# Altium PCB TempdevAmmy1009.PcbDoc (part 2 of 4)
Units mm, origin at the board's own origin, x right, y up, seen from the top; angles counter-clockwise.
Board outline 80.31 x 100.3 mm, 2 copper layers (Top Layer, Bottom Layer); 948 components, 586 nets, 3088 pads, 189 vias.
Unrouted connection lines stored in the file: 1751.
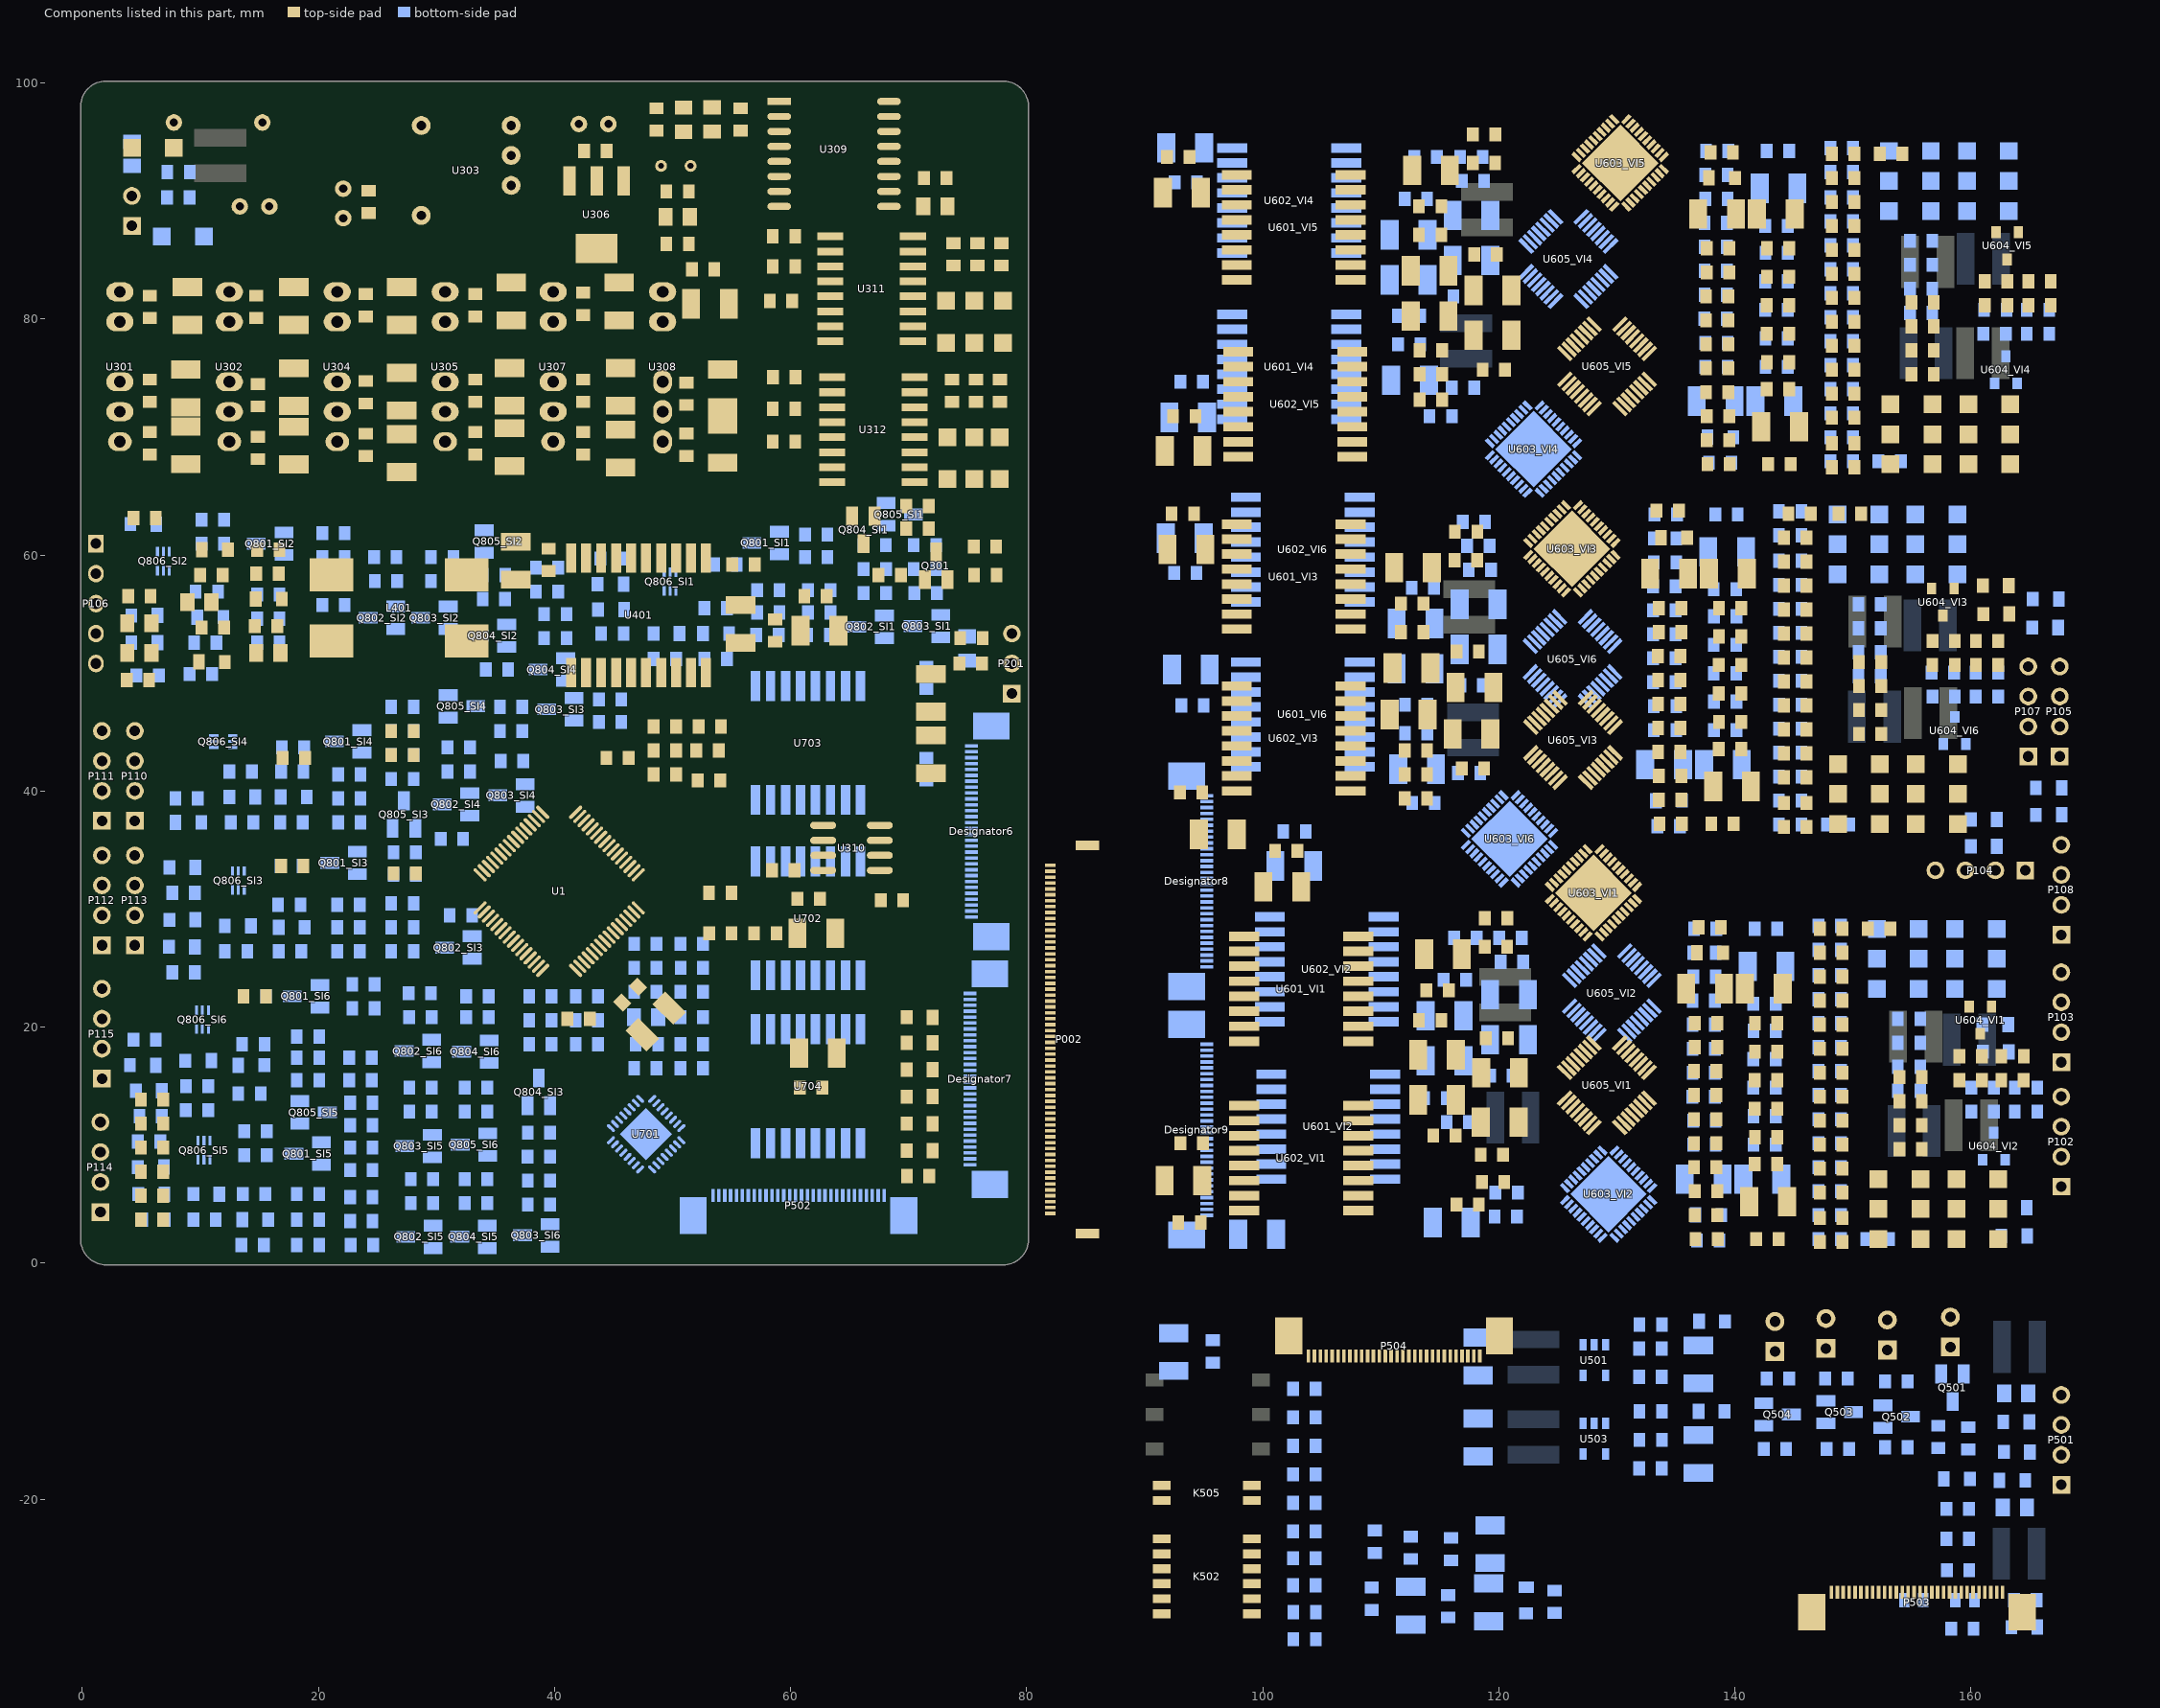
[diagram p2: the components of this part, seen from the top]

## Components (designator, comment, footprint, x,y, rotation, side; value= is the part's Value field where it differs from the comment) (continued)
Q802_SI3 "MMSS8550" SOT-23 33.02,27.686 r270 bottom (schematic designator Q802)
Q802_SI4 "MMSS8550" SOT-23 32.815,39.817 r270 bottom (schematic designator Q802)
Q802_SI5 "MMSS8550" SOT-23 29.718,3.175 r270 bottom (schematic designator Q802)
Q802_SI6 "MMSS8550" SOT-23 29.591,18.923 r270 bottom (schematic designator Q802)
Q803_SI1 "MMSS8050" SOT-23 72.705,54.925 r270 bottom (schematic designator Q803)
Q803_SI2 "MMSS8050" SOT-23 30.988,55.631 r270 bottom (schematic designator Q803)
Q803_SI3 "MMSS8050" SOT-23 41.656,47.879 r270 bottom (schematic designator Q803)
Q803_SI4 "MMSS8050" SOT-23 37.514,40.579 r270 bottom (schematic designator Q803)
Q803_SI5 "MMSS8050" SOT-23 29.64,10.861 r270 bottom (schematic designator Q803)
Q803_SI6 "MMSS8050" SOT-23 39.624,3.302 r270 bottom (schematic designator Q803)
Q804_SI1 "MMSS8550" SOT-23 67.122,63.295 r180 top (schematic designator Q804)
Q804_SI2 "MMSS8550" SOT-23 35.941,54.107 r270 bottom (schematic designator Q804)
Q804_SI3 "MMSS8550" SOT-23 39.624,13.335 r180 bottom (schematic designator Q804)
Q804_SI4 "MMSS8550" SOT-23 40.943,51.247 r270 bottom (schematic designator Q804)
Q804_SI5 "MMSS8550" SOT-23 34.29,3.18 r270 bottom (schematic designator Q804)
Q804_SI6 "MMSS8550" SOT-23 34.466,18.862 r270 bottom (schematic designator Q804)
Q805_SI1 "BSS138" SOT-23(SS8050) 68.072,62.484 r90 bottom (schematic designator Q805)
Q805_SI2 "BSS138" SOT-23(SS8050) 34.036,60.193 r90 bottom (schematic designator Q805)
Q805_SI3 "BSS138" SOT-23(SS8050) 28.194,36.83 r180 bottom (schematic designator Q805)
Q805_SI4 "BSS138" SOT-23(SS8050) 30.988,46.223 r90 bottom (schematic designator Q805)
Q805_SI5 "BSS138" SOT-23(SS8050) 18.415,11.811 r90 bottom (schematic designator Q805)
Q805_SI6 "BSS138" SOT-23(SS8050) 34.339,10.988 r270 bottom (schematic designator Q805)
Q806_SI1 "Si1024X" SOT563 49.276,58.509 r270 bottom (schematic designator Q806)
Q806_SI2 "Si1024X" SOT563 6.35,60.236 r270 bottom (schematic designator Q806)
Q806_SI3 "Si1024X" SOT563 12.7,33.185 r270 bottom (schematic designator Q806)
Q806_SI4 "Si1024X" SOT563 11.176,43.688 r0 bottom (schematic designator Q806)
Q806_SI5 "Si1024X" SOT563 9.787,10.325 r270 bottom (schematic designator Q806)
Q806_SI6 "Si1024X" SOT563 9.66,21.374 r270 bottom (schematic designator Q806)
R201 "RC0805JR-000KL" 0603R 54.036,31.369 r0 top value=0R
R202 "RC0805JR-07120RL" 0603R 54.041,27.94 r0 top value=120
R203 "RC0805JR-0710KL" 0603R 57.851,27.94 r0 top value=10K
R204 "RC0805JR-0720RL" 0603R 75.311,52.959 r180 top value=20
R205 "RC0805JR-0720RL" 0603R 75.25,50.8 r180 top value=20
R206 "RC0805JR-0710KL" 0603R 53.147,45.466 r0 top value=10K
R207 "RC0805JR-0710KL" 0603R 49.342,41.402 r180 top value=10K
R208 "RC0805JR-0710KL" 0603R 49.342,43.434 r180 top value=10K
R209 "RC0805JR-0710KL" 0603R 53.086,40.894 r0 top value=NC
R210 "RC0805JR-0710KL" 0603R 52.959,43.434 r0 top value=NC
R211 "RC0805JR-0710KL" 0603R 49.342,45.466 r180 top value=NC
R212 "RC0805JR-000KL" 0603R 45.339,42.799 r0 top value=0R
R213 "RC0805JR-0710KL" 0603R 70.8,7.366 r180 top value=10K
R301 "PNP-200KJBJ26-10R" 0603R 8.144,92.456 r180 bottom value=10
R302 "PNP-200KJBJ26-10R" 0603R 8.128,90.297 r180 bottom value=10
R303 "10D470K" 10D470K 11.497,96.647 r180 bottom
R304 "RC0805JR-071KL" 0603R 59.375,33.274 r180 top value=1K
R305 "RC0805JR-07470RL" 0603R 68.58,30.734 r0 top value=470
R306 "RC0805JR-071KL" 0603R 73.787,85.471 r270 top value=1K
R307 "RC0805JR-071KL" 0603R 75.819,85.471 r270 top value=1K
R308 "RC0805JR-071KL" 0603R 77.851,85.471 r270 top value=1K
R309 "RC0805JR-071KL" 0603R 73.66,73.914 r270 top value=1K
R310 "RC0805JR-071KL" 0603R 75.692,73.914 r270 top value=1K
R311 "RC0805JR-071KL" 0603R 77.724,73.914 r270 top value=1K
R312 "RC0805JR-074700RL" 0603R 59.436,86.995 r180 top value=4.7K
R313 "RC0805JR-074700RL" 0603R 59.436,84.455 r180 top value=4.7K
R314 "RC0805JR-0710KL" 0603R 68.392,58.293 r0 top value=10K
R315 "RC0805JR-074700RL" 0603R 59.182,81.534 r180 top value=4.7K
R316 "RC0805JR-074700RL" 0603R 59.452,75.057 r180 top value=4.7K
R317 "RC0805JR-071KL" 0603R 76.454,60.706 r0 top value=1K
R318 "RC0805JR-071KL" 0603R 76.492,58.293 r0 top value=1K
R319 "RC0805JR-074700RL" 0603R 59.436,72.39 r180 top value=4.7K
R320 "RC0805JR-074700RL" 0603R 59.436,69.596 r180 top value=4.7K
R401 "RC0805JR-0710KL" 0603R 10.922,58.293 r0 top value=10K
R402 "RC0805JR-0720RL" 0603R 15.748,60.452 r180 top value=20
R403 "" 0603R 11.049,53.848 r180 top value=3.9K
R404 "RC0805JR-0720RL" 0603R 15.555,53.975 r0 top value=20
R405 "RC0805JR-0710KL" 0603R 15.682,58.42 r180 top value=10K
R501 "0805L075" 0805R 163.719,-20.701 r180 bottom value=PTC
R502 "" 0603R 164.592,-28.575 r180 bottom value=NC
R503 "RC0805JR-0720RL" 0603R 159.258,-30.988 r180 bottom value=20
R504 "RC0805JR-0720RL" 0603R 158.861,-23.368 r0 bottom value=20
R505 "" 0603R 158.861,-20.828 r0 bottom value=1.5K
R506 "0805L075" 0805R 163.83,-11.049 r180 bottom value=PTC
R507 "RC0805JR-0710KL" 0603R 103.521,-20.32 r180 bottom value=10K
R508 "RC0805JR-0710KL" 0603R 103.521,-22.733 r180 bottom value=10K
R509 "RC0805JR-0710KL" 0603R 103.521,-25.019 r180 bottom value=10K
R510 "RC0805JR-0710KL" 0603R 103.521,-27.305 r180 bottom value=10K
R511 "RC0805JR-0710KL" 0603R 103.537,-29.591 r180 bottom value=10K
R512 "RC0805JR-0710KL" 0603R 103.537,-31.877 r180 bottom value=10K
R513 "RC0805JR-0710KL" 0603R 103.521,-13.081 r180 bottom value=10K
R514 "RC0805JR-0710KL" 0603R 103.521,-10.668 r180 bottom value=10K
R515 "RC0805JR-0710KL" 0603R 103.521,-15.494 r180 bottom value=10K
R516 "RC0805JR-0710KL" 0603R 103.521,-17.907 r180 bottom value=10K
R517 "RC0805JR-07120RL" 0603R 159.766,-14.859 r270 bottom value=120
R518 "RC0805JR-0710KL" 0603R 157.226,-14.732 r270 bottom value=10K
R519 "RC0805JR-07120RL" 0603R 153.67,-10.033 r0 bottom value=120
R520 "RC0805JR-0710KL" 0603R 153.67,-15.621 r0 bottom value=10K
R521 "RC0805JR-07120RL" 0603R 148.59,-9.779 r0 bottom value=120
R522 "RC0805JR-0710KL" 0603R 148.717,-15.748 r0 bottom value=10K
R523 "RC0805JR-07120RL" 0603R 143.637,-9.779 r0 bottom value=120
R524 "RC0805JR-0710KL" 0603R 143.383,-15.748 r0 bottom value=10K
R525 "" 0603R 132.842,-7.239 r180 bottom value=150k
R526 "" 0603R 132.842,-9.652 r0 bottom value=51k
R527 "RC0805JR-0720RL" 0603R 109.22,-28.448 r90 bottom value=51R
R528 "RC0805JR-0720RL" 0603R 112.522,-24.13 r90 bottom value=560k
R529 "" 0603R 132.858,-14.986 r180 bottom value=127k
R530 "" 0603R 132.842,-17.399 r0 bottom value=13.3k
R601_VI1 "RT0603CRD0710KL" 0603R 119.761,29.21 r0 top (schematic designator R601)
R601_VI2 "RT0603CRD0710KL" 0603R 120.65,5.969 r0 bottom (schematic designator R601)
R601_VI3 "RT0603CRD0710KL" 0603R 117.221,61.976 r0 top (schematic designator R601)
R601_VI4 "RT0603CRD0710KL" 0603R 115.067,71.755 r180 bottom (schematic designator R601)
R601_VI5 "RT0603CRD0710KL" 0603R 118.745,95.631 r0 top (schematic designator R601)
R601_VI6 "RT0603CRD0710KL" 0603R 117.475,41.529 r0 bottom (schematic designator R601)
R602_VI1 "RC0603FR-070RL" 0603R 154.874,13.716 r180 top (schematic designator R602)
R602_VI2 "RC0603FR-070RL" 0603R 154.747,16.637 r180 bottom (schematic designator R602)
R602_VI3 "RC0603FR-070RL" 0603R 151.445,48.895 r180 top (schematic designator R602)
R602_VI4 "RC0603FR-070RL" 0603R 155.763,82.55 r180 bottom (schematic designator R602)
R602_VI5 "RC0603FR-070RL" 0603R 155.89,79.375 r180 top (schematic designator R602)
R602_VI6 "RC0603FR-070RL" 0603R 151.404,51.755 r180 bottom (schematic designator R602)
R603_VI1 "RT0603BRD0713K7L" 0603R 137.856,28.448 r0 top (schematic designator R603)
R603_VI2 "RT0603BRD0713K7L" 0603R 137.729,1.905 r0 bottom (schematic designator R603)
R603_VI3 "RT0603BRD0713K7L" 0603R 134.305,63.754 r0 top (schematic designator R603)
R603_VI4 "RT0603BRD0713K7L" 0603R 138.745,67.818 r0 bottom (schematic designator R603)
R603_VI5 "RT0603BRD0713K7L" 0603R 138.872,94.107 r0 top (schematic designator R603)
R603_VI6 "RT0603BRD0713K7L" 0603R 134.386,37.023 r0 bottom (schematic designator R603)
R604_VI1 "RC0603FR-070RL" 0603R 137.541,6.096 r180 top (schematic designator R604)
R604_VI2 "RC0603FR-070RL" 0603R 137.414,24.257 r180 bottom (schematic designator R604)
R604_VI3 "RC0603FR-070RL" 0603R 134.493,41.275 r180 top (schematic designator R604)
R604_VI4 "RC0603FR-070RL" 0603R 138.43,90.17 r180 bottom (schematic designator R604)
R604_VI5 "RC0603FR-070RL" 0603R 138.557,71.755 r180 top (schematic designator R604)
R604_VI6 "RC0603FR-070RL" 0603R 134.071,59.375 r180 bottom (schematic designator R604)
R605_VI1 "RC0603FR-070RL" 0603R 154.874,11.684 r180 top (schematic designator R605)
R605_VI2 "RC0603FR-070RL" 0603R 154.747,18.669 r180 bottom (schematic designator R605)
R605_VI3 "RC0603FR-070RL" 0603R 151.445,46.863 r180 top (schematic designator R605)
R605_VI4 "RC0603FR-070RL" 0603R 155.763,84.582 r180 bottom (schematic designator R605)
R605_VI5 "RC0603FR-070RL" 0603R 155.89,77.343 r180 top (schematic designator R605)
R605_VI6 "RC0603FR-070RL" 0603R 151.404,53.787 r180 bottom (schematic designator R605)
R606_VI1 "RC0603FR-0710RL" 0603R 152.207,28.321 r180 top (schematic designator R606)
R606_VI2 "RC0603FR-0710RL" 0603R 152.08,2.032 r180 bottom (schematic designator R606)
R606_VI3 "RC0603FR-0710RL" 0603R 149.733,63.5 r180 top (schematic designator R606)
R606_VI4 "RC0603FR-0710RL" 0603R 153.096,67.945 r180 bottom (schematic designator R606)
R606_VI5 "RC0603FR-0710RL" 0603R 153.223,93.98 r180 top (schematic designator R606)
R606_VI6 "RC0603FR-0710RL" 0603R 148.737,37.15 r180 bottom (schematic designator R606)
R607_VI1 "RT0603CRD074K7L" 0603R 148.143,24.257 r180 top (schematic designator R607)
R607_VI2 "RT0603CRD074K7L" 0603R 148.016,6.096 r180 bottom (schematic designator R607)
R607_VI3 "RT0603CRD074K7L" 0603R 145.095,59.436 r180 top (schematic designator R607)
R607_VI4 "RT0603CRD074K7L" 0603R 149.032,72.009 r180 bottom (schematic designator R607)
R607_VI5 "RT0603CRD074K7L" 0603R 149.159,89.916 r180 top (schematic designator R607)
R607_VI6 "RT0603CRD074K7L" 0603R 144.673,41.214 r180 bottom (schematic designator R607)
R608_VI1 "RT0603BRD071KL" 0603R 148.143,26.289 r180 top (schematic designator R608)
R608_VI2 "RT0603BRD071KL" 0603R 148.016,4.064 r180 bottom (schematic designator R608)
R608_VI3 "RT0603BRD071KL" 0603R 145.095,61.468 r180 top (schematic designator R608)
R608_VI4 "RT0603BRD071KL" 0603R 149.032,69.977 r180 bottom (schematic designator R608)
R608_VI5 "RT0603BRD071KL" 0603R 149.159,91.948 r180 top (schematic designator R608)
R608_VI6 "RT0603BRD071KL" 0603R 144.673,39.182 r180 bottom (schematic designator R608)
R609_VI1 "RT0603BRD071KL" 0603R 163.51,15.494 r180 top (schematic designator R609)
R609_VI2 "RT0603BRD071KL" 0603R 164.653,14.859 r180 bottom (schematic designator R609)
R609_VI3 "RT0603BRD071KL" 0603R 161.356,50.673 r180 top (schematic designator R609)
R609_VI4 "RT0603BRD071KL" 0603R 165.669,80.772 r180 bottom (schematic designator R609)
R609_VI5 "RT0603BRD071KL" 0603R 165.796,81.153 r180 top (schematic designator R609)
R609_VI6 "RT0603BRD071KL" 0603R 161.351,50.038 r180 bottom (schematic designator R609)
R610_VI1 "RT0603BRD071KL" 0603R 148.143,22.225 r180 top (schematic designator R610)
R610_VI2 "RT0603BRD071KL" 0603R 148.016,8.128 r180 bottom (schematic designator R610)
R610_VI3 "RT0603BRD071KL" 0603R 145.095,57.404 r180 top (schematic designator R610)
R610_VI4 "RT0603BRD071KL" 0603R 149.032,74.041 r180 bottom (schematic designator R610)
R610_VI5 "RT0603BRD071KL" 0603R 149.159,87.884 r180 top (schematic designator R610)
R610_VI6 "RT0603BRD071KL" 0603R 144.673,43.246 r180 bottom (schematic designator R610)
R611_VI1 "RT0603BRD071KL" 0603R 163.515,17.526 r180 top (schematic designator R611)
R611_VI2 "RT0603BRD071KL" 0603R 164.653,12.827 r180 bottom (schematic designator R611)
R611_VI3 "RT0603BRD071KL" 0603R 161.356,52.705 r180 top (schematic designator R611)
R611_VI4 "RT0603BRD071KL" 0603R 165.669,78.74 r180 bottom (schematic designator R611)
R611_VI5 "RT0603BRD071KL" 0603R 165.796,83.185 r180 top (schematic designator R611)
R611_VI6 "RT0603BRD071KL" 0603R 161.351,48.006 r180 bottom (schematic designator R611)
R612_VI1 "RC0603JR-073KL" 0603R 159.954,15.494 r180 top (schematic designator R612)
R612_VI2 "RC0603JR-073KL" 0603R 160.97,14.859 r180 bottom (schematic designator R612)
R612_VI3 "RC0603JR-073KL" 0603R 157.668,50.673 r180 top (schematic designator R612)
R612_VI4 "RC0603JR-073KL" 0603R 162.052,80.772 r180 bottom (schematic designator R612)
R612_VI5 "RC0603JR-073KL" 0603R 162.113,81.153 r180 top (schematic designator R612)
R612_VI6 "RC0603JR-073KL" 0603R 157.607,50.038 r180 bottom (schematic designator R612)
R613_VI1 "RC0603FR-070RL" 0603R 148.148,18.161 r0 top (schematic designator R613)
R613_VI2 "RC0603FR-070RL" 0603R 148.021,12.192 r0 bottom (schematic designator R613)
R613_VI3 "RC0603FR-070RL" 0603R 145.1,53.34 r0 top (schematic designator R613)
R613_VI4 "RC0603FR-070RL" 0603R 149.037,78.105 r0 bottom (schematic designator R613)
R613_VI5 "RC0603FR-070RL" 0603R 149.164,83.82 r0 top (schematic designator R613)
R613_VI6 "RC0603FR-070RL" 0603R 144.678,47.31 r0 bottom (schematic designator R613)
R614_VI1 "RC0603FR-070RL" 0603R 114.808,23.114 r180 top (schematic designator R614)
R614_VI2 "RC0603FR-070RL" 0603R 116.52,11.938 r180 bottom (schematic designator R614)
R614_VI3 "RC0603FR-070RL" 0603R 112.649,55.88 r180 top (schematic designator R614)
R614_VI4 "RC0603FR-070RL" 0603R 112.395,77.851 r180 bottom (schematic designator R614)
R614_VI5 "RC0603FR-070RL" 0603R 114.173,89.535 r180 top (schematic designator R614)
R614_VI6 "RC0603FR-070RL" 0603R 112.989,44.897 r180 bottom (schematic designator R614)
R615_VI1 "RC0603JR-073KL" 0603R 159.959,17.526 r0 top (schematic designator R615)
R615_VI2 "RC0603JR-073KL" 0603R 160.975,12.827 r0 bottom (schematic designator R615)
R615_VI3 "RC0603JR-073KL" 0603R 157.673,52.705 r0 top (schematic designator R615)
R615_VI4 "RC0603JR-073KL" 0603R 161.991,78.74 r0 bottom (schematic designator R615)
R615_VI5 "RC0603JR-073KL" 0603R 162.118,83.185 r0 top (schematic designator R615)
R615_VI6 "RC0603JR-073KL" 0603R 157.673,48.006 r0 bottom (schematic designator R615)
R616_VI1 "RT0603CRD0710KL" 0603R 148.143,20.193 r180 top (schematic designator R616)
R616_VI2 "RT0603CRD0710KL" 0603R 148.016,10.16 r180 bottom (schematic designator R616)
R616_VI3 "RT0603CRD0710KL" 0603R 145.095,55.372 r180 top (schematic designator R616)
R616_VI4 "RT0603CRD0710KL" 0603R 149.032,76.073 r180 bottom (schematic designator R616)
R616_VI5 "RT0603CRD0710KL" 0603R 149.159,85.852 r180 top (schematic designator R616)
R616_VI6 "RT0603CRD0710KL" 0603R 144.673,45.278 r180 bottom (schematic designator R616)
R617_VI1 "RC0603FR-070RL" 0603R 148.143,16.129 r0 top (schematic designator R617)
R617_VI2 "RC0603FR-070RL" 0603R 148.016,14.224 r0 bottom (schematic designator R617)
R617_VI3 "RC0603FR-070RL" 0603R 145.095,51.308 r0 top (schematic designator R617)
R617_VI4 "RC0603FR-070RL" 0603R 149.032,80.137 r0 bottom (schematic designator R617)
R617_VI5 "RC0603FR-070RL" 0603R 149.159,81.788 r0 top (schematic designator R617)
R617_VI6 "RC0603FR-070RL" 0603R 144.673,49.342 r0 bottom (schematic designator R617)
R618_VI1 "RT0603CRD0710KL" 0603R 148.143,14.097 r180 top (schematic designator R618)
R618_VI2 "RT0603CRD0710KL" 0603R 148.016,16.256 r180 bottom (schematic designator R618)
R618_VI3 "RT0603CRD0710KL" 0603R 145.095,49.276 r180 top (schematic designator R618)
R618_VI4 "RT0603CRD0710KL" 0603R 149.032,82.169 r180 bottom (schematic designator R618)
R618_VI5 "RT0603CRD0710KL" 0603R 149.159,79.756 r180 top (schematic designator R618)
R618_VI6 "RT0603CRD0710KL" 0603R 144.673,51.374 r180 bottom (schematic designator R618)
R619_VI1 "RC0603FR-070RL" 0603R 148.143,12.065 r0 top (schematic designator R619)
R619_VI2 "RC0603FR-070RL" 0603R 148.016,18.288 r0 bottom (schematic designator R619)
R619_VI3 "RC0603FR-070RL" 0603R 145.095,47.244 r0 top (schematic designator R619)
R619_VI4 "RC0603FR-070RL" 0603R 149.032,84.201 r0 bottom (schematic designator R619)
R619_VI5 "RC0603FR-070RL" 0603R 149.159,77.724 r0 top (schematic designator R619)
R619_VI6 "RC0603FR-070RL" 0603R 144.673,53.406 r0 bottom (schematic designator R619)
R620_VI1 "RT0603CRD0710KL" 0603R 148.143,10.033 r180 top (schematic designator R620)
R620_VI2 "RT0603CRD0710KL" 0603R 148.016,20.32 r180 bottom (schematic designator R620)
R620_VI3 "RT0603CRD0710KL" 0603R 145.095,45.212 r180 top (schematic designator R620)
R620_VI4 "RT0603CRD0710KL" 0603R 149.032,86.233 r180 bottom (schematic designator R620)
R620_VI5 "RT0603CRD0710KL" 0603R 149.159,75.692 r180 top (schematic designator R620)
R620_VI6 "RT0603CRD0710KL" 0603R 144.673,55.438 r180 bottom (schematic designator R620)
R621_VI1 "RC0603FR-070RL" 0603R 119.507,6.858 r180 top (schematic designator R621)
R621_VI2 "RC0603FR-070RL" 0603R 120.97,27.559 r180 bottom (schematic designator R621)
R621_VI3 "RC0603FR-070RL" 0603R 112.964,41.402 r0 top (schematic designator R621)
R621_VI4 "RC0603FR-070RL" 0603R 117.668,93.726 r180 bottom (schematic designator R621)
R621_VI5 "RC0603FR-070RL" 0603R 114.229,75.311 r0 top (schematic designator R621)
R621_VI6 "RC0603FR-070RL" 0603R 118.262,60.772 r180 bottom (schematic designator R621)
R622_VI1 "RC0603FR-070RL" 0603R 148.143,1.778 r0 top (schematic designator R622)
R622_VI2 "RC0603FR-070RL" 0603R 148.016,28.575 r0 bottom (schematic designator R622)
R622_VI3 "RC0603FR-070RL" 0603R 145.095,36.957 r0 top (schematic designator R622)
R622_VI4 "RC0603FR-070RL" 0603R 149.032,94.488 r0 bottom (schematic designator R622)
R622_VI5 "RC0603FR-070RL" 0603R 149.159,67.437 r0 top (schematic designator R622)
R622_VI6 "RC0603FR-070RL" 0603R 144.673,63.693 r0 bottom (schematic designator R622)
R623_VI1 "RT0603CRD0710KL" 0603R 117.348,4.953 r180 top (schematic designator R623)
R623_VI2 "RT0603CRD0710KL" 0603R 117.16,27.559 r180 bottom (schematic designator R623)
R623_VI3 "RT0603CRD0710KL" 0603R 112.964,39.37 r0 top (schematic designator R623)
R623_VI4 "RT0603CRD0710KL" 0603R 113.792,93.726 r180 bottom (schematic designator R623)
R623_VI5 "RT0603CRD0710KL" 0603R 114.239,73.152 r180 top (schematic designator R623)
R623_VI6 "RT0603CRD0710KL" 0603R 117.876,62.804 r0 bottom (schematic designator R623)
R624_VI1 "RT0603CRD0710KL" 0603R 148.143,3.81 r180 top (schematic designator R624)
R624_VI2 "RT0603CRD0710KL" 0603R 148.016,26.543 r180 bottom (schematic designator R624)
R624_VI3 "RT0603CRD0710KL" 0603R 145.095,38.989 r180 top (schematic designator R624)
R624_VI4 "RT0603CRD0710KL" 0603R 149.032,92.456 r180 bottom (schematic designator R624)
R624_VI5 "RT0603CRD0710KL" 0603R 149.159,69.469 r180 top (schematic designator R624)
R624_VI6 "RT0603CRD0710KL" 0603R 144.673,61.661 r180 bottom (schematic designator R624)
R625_VI1 "RC0603FR-070RL" 0603R 148.143,8.001 r0 top (schematic designator R625)
R625_VI2 "RC0603FR-070RL" 0603R 148.016,22.352 r0 bottom (schematic designator R625)
R625_VI3 "RC0603FR-070RL" 0603R 145.095,43.18 r0 top (schematic designator R625)
R625_VI4 "RC0603FR-070RL" 0603R 149.032,88.265 r0 bottom (schematic designator R625)
R625_VI5 "RC0603FR-070RL" 0603R 149.159,73.66 r0 top (schematic designator R625)
R625_VI6 "RC0603FR-070RL" 0603R 144.673,57.47 r0 bottom (schematic designator R625)
R626_VI1 "RT0603CRD0710KL" 0603R 148.143,5.969 r180 top (schematic designator R626)
R626_VI2 "RT0603CRD0710KL" 0603R 148.016,24.384 r180 bottom (schematic designator R626)
R626_VI3 "RT0603CRD0710KL" 0603R 145.095,41.148 r180 top (schematic designator R626)
R626_VI4 "RT0603CRD0710KL" 0603R 149.032,90.297 r180 bottom (schematic designator R626)